# Altium PCB ebox-SPARK-拼板.PcbDoc (part 3 of 3) (continued)
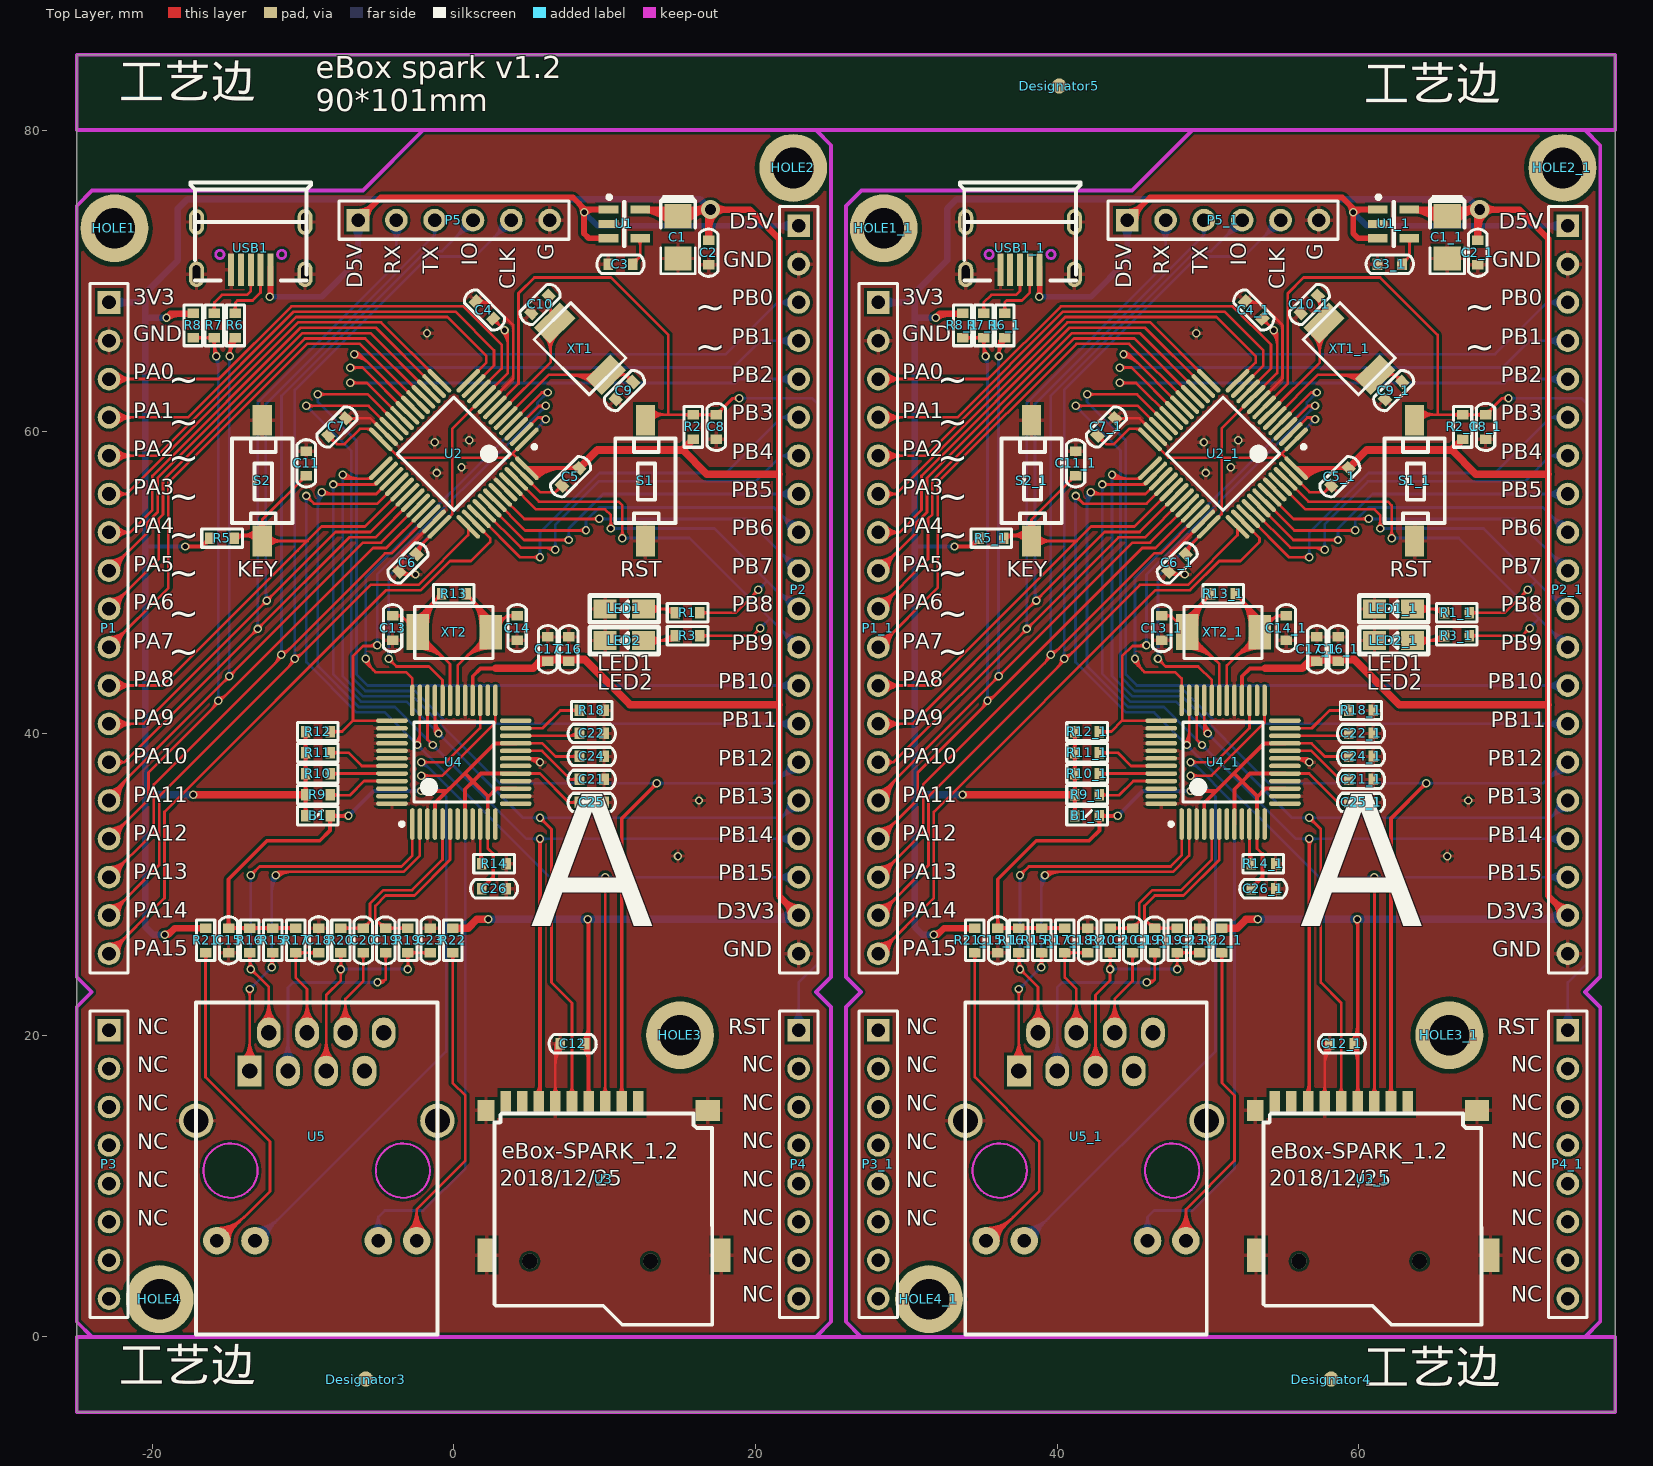
[diagram p0: Top Layer view]
## Nets (pads, with @x,y where several pads share a name; then routed paths per layer and width w, separated by ;. In a path a pad name is that pad's centre, name@x,y a point inside that pad or via, vN(x,y) a via of type N, cw(c..) or ccw(c..) an arc to the next point about the centre after c; other vN are vias at no path point) (continued)
  Bottom Layer w0.178: v1(18.923,62.23) 23.749,62.23 24.13,61.849 24.13,24.765 22.86,23.495 P4.1@22.86,20.32 ; v1@19.058,62.095 cw(c19.383,61.77) 19.383,62.23 cw(c19.383,62.69) v1@19.058,62.365 ; P4.1@22.393,20.787 ccw(c21.264,21.916) 22.86,21.916 ccw(c24.456,21.916) P4.1@23.327,20.787 ; P4.1@22.518,20.662 ccw(c21.693,21.487) 22.86,21.487 ccw(c24.027,21.487) P4.1@23.202,20.662 ; v1(69.923,62.23) 74.749,62.23 75.13,61.849 75.13,24.765 73.86,23.495 P4_1.1@73.86,20.32 ; v1@70.058,62.095 cw(c70.383,61.77) 70.383,62.23 cw(c70.383,62.69) v1@70.058,62.365 ; P4_1.1@73.393,20.787 ccw(c72.264,21.916) 73.86,21.916 ccw(c75.456,21.916) P4_1.1@74.327,20.787 ; P4_1.1@73.518,20.662 ccw(c72.693,21.487) 73.86,21.487 ccw(c75.027,21.487) P4_1.1@74.202,20.662
RXN: C20.2 C20_1.2 R20.1 R20_1.1 U4.5 U4_1.5 | length 28.4
  Top Layer w0.178: R20.1@-7.485,27.102 C20.2@-6.003,27.102 -5.563,27.542 ; R20.1@-7.259,26.94 cw(c-6.869,26.55) -6.869,27.102 cw(c-6.869,27.654) R20.1@-7.259,27.263 ; C20.2@-6.228,26.94 ccw(c-6.618,26.55) -6.618,27.102 ccw(c-6.618,27.654) C20.2@-6.228,27.263 ; C20.2@-5.939,27.33 ccw(c-5.939,27.729) -5.658,27.447 ; C20.2@-5.712,27.124 cw(c-5.196,27.176) -5.563,27.542 ; U4.5@-0.75,34 -0.75,31.635 -2.769,29.616 -4.674,29.616 -5.563,28.727 -5.563,27.542 ; R20_1.1@43.515,27.102 C20_1.2@44.997,27.102 45.437,27.542 ; R20_1.1@43.741,26.94 cw(c44.131,26.55) 44.131,27.102 cw(c44.131,27.654) R20_1.1@43.741,27.263 ; C20_1.2@44.772,26.94 ccw(c44.382,26.55) 44.382,27.102 ccw(c44.382,27.654) C20_1.2@44.772,27.263 ; C20_1.2@45.061,27.33 ccw(c45.061,27.729) 45.342,27.447 ; C20_1.2@45.288,27.124 cw(c45.804,27.176) 45.437,27.542 ; U4_1.5@50.25,34 50.25,31.635 48.231,29.616 46.326,29.616 45.437,28.727 45.437,27.542
RXP: C19.2 C19_1.2 R19.1 R19_1.1 U4.6 U4_1.6 | length 29.2
  Top Layer w0.178: -5.04,27.519 ccw(c-4.585,27.974) C19.2@-4.585,27.33 ; -4.948,27.427 cw(c-5.273,27.102) C19.2@-4.813,27.102 ; C19.2@-4.521,27.102 R19.1@-3.04,27.102 ; C19.2@-4.318,27.305 -4.826,27.305 -5.207,27.686 -5.207,28.58 -4.526,29.261 -2.621,29.261 -0.25,31.632 U4.6@-0.25,34 ; C19.2@-4.296,26.94 cw(c-3.906,26.55) -3.906,27.102 cw(c-3.906,27.654) C19.2@-4.296,27.263 ; R19.1@-3.265,26.94 ccw(c-3.655,26.55) -3.655,27.102 ccw(c-3.655,27.654) R19.1@-3.265,27.263 ; 45.96,27.519 ccw(c46.415,27.974) C19_1.2@46.415,27.33 ; 46.052,27.427 cw(c45.727,27.102) C19_1.2@46.187,27.102 ; C19_1.2@46.479,27.102 R19_1.1@47.96,27.102 ; C19_1.2@46.682,27.305 46.174,27.305 45.793,27.686 45.793,28.58 46.474,29.261 48.379,29.261 50.75,31.632 U4_1.6@50.75,34 ; C19_1.2@46.704,26.94 cw(c47.094,26.55) 47.094,27.102 cw(c47.094,27.654) C19_1.2@46.704,27.263 ; R19_1.1@47.735,26.94 ccw(c47.345,26.55) 47.345,27.102 ccw(c47.345,27.654) R19_1.1@47.735,27.263
TCT: C18.2 C18_1.2 R17.1 R17_1.1 U5.4 U5_1.4 | length 31.8
  Top Layer w0.178: R17.1@-10.652,25.315 cw(c-11.042,24.924) -10.49,24.924 cw(c-9.938,24.924) R17.1@-10.329,25.315 ; R17.1@-10.265,25.315 cw(c-9.875,24.924) -9.875,25.476 cw(c-9.875,26.028) R17.1@-10.265,25.638 ; U5.4@-10.223,20.89 ccw(c-11.415,22.083) -9.729,22.083 ccw(c-8.042,22.083) U5.4@-9.235,20.89 ; U5.4@-10.097,20.764 ccw(c-10.986,21.653) -9.729,21.653 ccw(c-8.472,21.653) U5.4@-9.36,20.764 ; U5.4@-9.971,20.639 ccw(c-10.556,21.224) -9.729,21.224 ccw(c-8.901,21.224) U5.4@-9.486,20.639 ; U5.4@-9.729,20.168 -9.729,23.064 -10.49,23.825 R17.1@-10.49,25.476 C18.2@-8.966,25.476 ; C18.2@-9.191,25.315 ccw(c-9.582,24.924) -9.582,25.476 ccw(c-9.582,26.028) C18.2@-9.191,25.638 ; R17_1.1@40.348,25.315 cw(c39.958,24.924) 40.51,24.924 cw(c41.062,24.924) R17_1.1@40.671,25.315 ; R17_1.1@40.735,25.315 cw(c41.125,24.924) 41.125,25.476 cw(c41.125,26.028) R17_1.1@40.735,25.638 ; U5_1.4@40.777,20.89 ccw(c39.585,22.083) 41.271,22.083 ccw(c42.958,22.083) U5_1.4@41.765,20.89 ; U5_1.4@40.903,20.764 ccw(c40.014,21.653) 41.271,21.653 ccw(c42.528,21.653) U5_1.4@41.64,20.764 ; U5_1.4@41.029,20.639 ccw(c40.444,21.224) 41.271,21.224 ccw(c42.099,21.224) U5_1.4@41.514,20.639 ; U5_1.4@41.271,20.168 41.271,23.064 40.51,23.825 R17_1.1@40.51,25.476 C18_1.2@42.034,25.476 ; C18_1.2@41.809,25.315 ccw(c41.418,24.924) 41.418,25.476 ccw(c41.418,26.028) C18_1.2@41.809,25.638
  Bottom Layer w0.178: U5.4@-9.906,20.345 U5.4@-9.729,20.168 ; U5_1.4@41.094,20.345 U5_1.4@41.271,20.168
TXN: R16.1 R16_1.1 U4.1 U4_1.1 U5.2 U5_1.2 | length 71.4
  Top Layer w0.178: R16.1@-13.7,25.315 cw(c-14.09,24.924) -13.538,24.924 cw(c-12.986,24.924) R16.1@-13.377,25.315 ; v1@-13.597,24.514 ccw(c-13.738,24.655) -13.538,24.655 ; v1@-13.538,24.455 R16.1@-13.538,25.476 ; -13.538,25.023 ccw(c-12.818,25.023) v1@-13.327,24.514 ; v1@-13.462,24.188 cw(c-13.462,23.728) -13.137,24.054 cw(c-12.812,24.379) v1@-13.272,24.379 ; v1(-13.462,24.379) -12.269,23.185 U5.2@-12.269,20.168 ; v1(-13.462,30.607) -12.878,31.191 -3.48,31.191 -2.75,31.921 U4.1@-2.75,34 ; v1@-13.462,30.797 ccw(c-13.462,31.257) -13.137,30.932 ccw(c-12.812,30.607) v1@-13.272,30.607 ; U5.2@-12.763,20.89 ccw(c-13.955,22.083) -12.269,22.083 ccw(c-10.582,22.083) U5.2@-11.775,20.89 ; U5.2@-12.637,20.764 ccw(c-13.526,21.653) -12.269,21.653 ccw(c-11.012,21.653) U5.2@-11.9,20.764 ; U5.2@-12.511,20.639 ccw(c-13.096,21.224) -12.269,21.224 ccw(c-11.441,21.224) U5.2@-12.026,20.639 ; R16_1.1@37.3,25.315 cw(c36.91,24.924) 37.462,24.924 cw(c38.014,24.924) R16_1.1@37.623,25.315 ; v1@37.403,24.514 ccw(c37.262,24.655) 37.462,24.655 ; v1@37.462,24.455 R16_1.1@37.462,25.476 ; 37.462,25.023 ccw(c38.182,25.023) v1@37.673,24.514 ; v1@37.538,24.188 cw(c37.538,23.728) 37.863,24.054 cw(c38.188,24.379) v1@37.728,24.379 ; v1(37.538,24.379) 38.731,23.185 U5_1.2@38.731,20.168 ; v1(37.538,30.607) 38.122,31.191 47.52,31.191 48.25,31.921 U4_1.1@48.25,34 ; v1@37.538,30.797 ccw(c37.538,31.257) 37.863,30.932 ccw(c38.188,30.607) v1@37.728,30.607 ; U5_1.2@38.237,20.89 ccw(c37.045,22.083) 38.731,22.083 ccw(c40.418,22.083) U5_1.2@39.225,20.89 ; U5_1.2@38.363,20.764 ccw(c37.474,21.653) 38.731,21.653 ccw(c39.988,21.653) U5_1.2@39.1,20.764 ; U5_1.2@38.489,20.639 ccw(c37.904,21.224) 38.731,21.224 ccw(c39.559,21.224) U5_1.2@38.974,20.639
  Bottom Layer w0.178: v1@-13.597,24.514 ccw(c-13.922,24.839) -13.462,24.839 ccw(c-13.002,24.839) v1@-13.327,24.514 ; v1@-13.597,30.472 cw(c-13.922,30.147) -13.462,30.147 cw(c-13.002,30.147) v1@-13.327,30.472 ; v1(-13.462,24.379) v1(-13.462,30.607) ; v1@37.403,24.514 ccw(c37.078,24.839) 37.538,24.839 ccw(c37.998,24.839) v1@37.673,24.514 ; v1@37.403,30.472 cw(c37.078,30.147) 37.538,30.147 cw(c37.998,30.147) v1@37.673,30.472 ; v1(37.538,24.379) v1(37.538,30.607)
TXP: R15.1 R15_1.1 U4.2 U4_1.2 U5.1 U5_1.1 | length 82.1
  Top Layer w0.178: U5.1@-14.033,18.35 ccw(c-15.225,19.543) -13.539,19.543 ccw(c-11.852,19.543) U5.1@-13.045,18.35 ; U5.1@-13.907,18.224 ccw(c-14.796,19.113) -13.539,19.113 ccw(c-12.282,19.113) U5.1@-13.17,18.224 ; U5.1@-13.781,18.099 ccw(c-14.366,18.684) -13.539,18.684 ccw(c-12.711,18.684) U5.1@-13.296,18.099 ; v1@-13.673,22.929 cw(c-13.999,22.604) -13.539,22.604 cw(c-13.079,22.604) v1@-13.404,22.929 ; U5.1@-13.539,17.628 v1(-13.539,23.064) ; v1@-12.2,24.646 ccw(c-12.648,25.094) -12.014,25.094 ; R15.1@-12.176,25.315 cw(c-12.566,24.924) -12.014,24.924 cw(c-11.462,24.924) R15.1@-11.853,25.315 ; v1@-12.014,24.562 R15.1@-12.014,25.476 ; -12.014,24.848 ccw(c-11.728,24.848) v1@-11.93,24.646 ; v1(-11.811,30.607) -11.811,30.658 -11.633,30.836 -3.333,30.836 -2.25,31.918 U4.2@-2.25,34 ; v1@-11.802,30.598 cw(c-11.228,30.024) -11.228,30.836 ; v1@-11.676,30.472 cw(c-10.799,29.595) -10.799,30.836 ; U5_1.1@36.967,18.35 ccw(c35.775,19.543) 37.461,19.543 ccw(c39.148,19.543) U5_1.1@37.955,18.35 ; U5_1.1@37.093,18.224 ccw(c36.204,19.113) 37.461,19.113 ccw(c38.718,19.113) U5_1.1@37.83,18.224 ; U5_1.1@37.219,18.099 ccw(c36.634,18.684) 37.461,18.684 ccw(c38.289,18.684) U5_1.1@37.704,18.099 ; v1@37.327,22.929 cw(c37.001,22.604) 37.461,22.604 cw(c37.921,22.604) v1@37.596,22.929 ; U5_1.1@37.461,17.628 v1(37.461,23.064) ; v1@38.8,24.646 ccw(c38.352,25.094) 38.986,25.094 ; R15_1.1@38.824,25.315 cw(c38.434,24.924) 38.986,24.924 cw(c39.538,24.924) R15_1.1@39.147,25.315 ; v1@38.986,24.562 R15_1.1@38.986,25.476 ; 38.986,24.848 ccw(c39.272,24.848) v1@39.07,24.646 ; v1(39.189,30.607) 39.189,30.658 39.367,30.836 47.667,30.836 48.75,31.918 U4_1.2@48.75,34 ; v1@39.198,30.598 cw(c39.772,30.024) 39.772,30.836 ; v1@39.324,30.472 cw(c40.201,29.595) 40.201,30.836
  Bottom Layer w0.178: v1@-13.589,22.987 v1(-12.065,24.511) -12.065,30.353 v1(-11.811,30.607) ; v1@-13.539,23.254 ccw(c-13.539,23.777) -13.169,23.407 ; v1@-13.348,23.064 cw(c-12.951,23.064) -13.232,23.344 ; v1@-12.256,24.511 cw(c-12.715,24.511) -12.39,24.186 cw(c-12.065,23.861) v1@-12.065,24.32 ; v1@-12.2,24.646 ccw(c-12.525,24.971) -12.065,24.971 ccw(c-11.605,24.971) v1@-11.93,24.646 ; -12.065,29.534 cw(c-10.738,29.534) v1@-11.676,30.472 ; -12.065,29.963 cw(c-11.167,29.963) v1@-11.802,30.598 ; -12.065,30.392 cw(c-11.596,30.392) v1@-11.928,30.724 ; v1@37.411,22.987 v1(38.935,24.511) 38.935,30.353 v1(39.189,30.607) ; v1@37.461,23.254 ccw(c37.461,23.777) 37.831,23.407 ; v1@37.652,23.064 cw(c38.049,23.064) 37.768,23.344 ; v1@38.744,24.511 cw(c38.285,24.511) 38.61,24.186 cw(c38.935,23.861) v1@38.935,24.32 ; v1@38.8,24.646 ccw(c38.475,24.971) 38.935,24.971 ccw(c39.395,24.971) v1@39.07,24.646 ; 38.935,29.534 cw(c40.262,29.534) v1@39.324,30.472 ; 38.935,29.963 cw(c39.833,29.963) v1@39.198,30.598 ; 38.935,30.392 cw(c39.404,30.392) v1@39.072,30.724
pads on no net: Designator3.0 Designator4.0 Designator5.0 HOLE1.0 HOLE1_1.0 HOLE2.0 HOLE2_1.0 HOLE3.0 HOLE3_1.0 HOLE4.0 HOLE4_1.0 P3.1 P3.2 P3.3 P3.4 P3.5 P3.6 P3.7 P3.8 P3_1.1 P3_1.2 P3_1.3 P3_1.4 P3_1.5 P3_1.6 P3_1.7 P3_1.8 P4.2 P4.3 P4.4 P4.5 P4.6 P4.7 P4.8 P4_1.2 P4_1.3 P4_1.4 P4_1.5 P4_1.6 P4_1.7 P4_1.8 U3.1 U3.8 U3.9 U3_1.1 U3_1.8 U3_1.9 U4.7 U4.12 U4.13 U4.18 U4.24 U4.26 U4.46 U4.47 U4_1.7 U4_1.12 U4_1.13 U4_1.18 U4_1.24 U4_1.26 U4_1.46 U4_1.47 U5.7 U5.8 U5.14 U5_1.7 U5_1.8 U5_1.14 USB1.4 USB1_1.4
copper on no net:
  other v2: 5.033,5.015 13.033,5.015 56.033,5.015 64.033,5.015

## Polygon pours and split planes (outlines as drawn)
GND on Top Layer "Keep-Out Layer-No Net" (solid, remove dead copper, pour order 1000): 76.146,80.137 76.146,-0.127 25.854,-0.127 25.854,80.137
GND on Top Layer "Keep-Out Layer-No Net" (solid, remove dead copper, pour order 1000): 25.146,80.137 25.146,-0.127 -25.146,-0.127 -25.146,80.137
GND on Bottom Layer "Keep-Out Layer-No Net" (solid, remove dead copper, pour order 1001): 76.146,80.137 76.146,-0.127 25.854,-0.127 25.854,80.137
GND on Bottom Layer "Keep-Out Layer-No Net" (solid, remove dead copper, pour order 1001): 25.146,80.137 25.146,-0.127 -25.146,-0.127 -25.146,80.137

## Keep-outs
Keep-Out Layer:
  lines w0.254: -25,23.857 -24.003,22.86 -25,21.863 -25,1 -24,0 24,0 25,1 25,21.844 25,21.863 24.003,22.86 25,23.857 ; -25,23.859 -25,74.984 -23.984,76 -6.028,76 -2.025,80.003 24,80.003 25,79.003 25,23.86 ; 26,23.857 26.997,22.86 26,21.863 26,1 27,0 75,0 76,1 76,21.844 76,21.863 75.003,22.86 76,23.857 ; 26,23.859 26,74.984 27.016,76 44.972,76 48.975,80.003 75,80.003 76,79.003 76,23.86 ; -25,-5 77,-5 77,0 -25,0 -25,-5 ; -25,80.003 77,80.003 77,85.003 -25,85.003 -25,80.003

## Silkscreen, mask and mechanical layers (free items; w line width, h text height)
Top Overlay:
  text "eBox spark v1.2" at -9.144,82.931 h2.54
  text "工艺边" at -22.225,81.407 h3.81
  text "工艺边" at 60.325,81.28 h3.81
  text "90*101mm" at -9.144,80.772 h2.54
  text "D5V" at 18.267,73.098 h1.78
  text "D5V" at 69.267,73.098 h1.78
  text "G" at 6.985,71.374 h1.78 r90
  text "G" at 57.985,71.374 h1.78 r90
  text "IO" at 1.905,71.022 h1.78 r90
  text "IO" at 52.905,71.022 h1.78 r90
  text "GND" at 17.859,70.558 h1.78
  text "GND" at 68.859,70.558 h1.78
  text "TX" at -0.655,70.496 h1.78 r90
  text "TX" at 50.345,70.496 h1.78 r90
  text "RX" at -3.195,70.406 h1.78 r90
  text "RX" at 47.805,70.406 h1.78 r90
  text "~" at 18.034,69.596 h3.05 r180
  text "~" at 69.034,69.596 h3.05 r180
  text "D5V" at -5.715,69.523 h1.78 r90
  text "D5V" at 45.285,69.523 h1.78 r90
  text "CLK" at 4.445,69.469 h1.78 r90
  text "CLK" at 55.445,69.469 h1.78 r90
  text "3V3" at -21.269,68.072 h1.78
  text "3V3" at 29.731,68.072 h1.78
  text "PB0" at 18.417,68.017 h1.78
  text "PB0" at 69.417,68.017 h1.78
  text "~" at 18.034,66.929 h3.05 r180
  text "~" at 69.034,66.929 h3.05 r180
  text "GND" at -21.269,65.659 h1.78
  text "GND" at 29.731,65.659 h1.78
  text "PB1" at 18.417,65.457 h1.78
  text "PB1" at 69.417,65.457 h1.78
  text "~" at -16.891,64.77 h3.05 r180
  text "~" at 34.109,64.77 h3.05 r180
  text "PA0" at -21.269,63.119 h1.78
  text "PA0" at 29.731,63.119 h1.78
  text "PB2" at 18.417,62.917 h1.78
  text "PB2" at 69.417,62.917 h1.78
  text "~" at -16.891,61.976 h3.05 r180
  text "~" at 34.109,61.976 h3.05 r180
  text "PA1" at -21.269,60.554 h1.78
  text "PA1" at 29.731,60.554 h1.78
  text "PB3" at 18.413,60.396 h1.78
  text "PB3" at 69.413,60.396 h1.78
  text "~" at -16.891,59.563 h3.05 r180
  text "~" at 34.109,59.563 h3.05 r180
  text "PA2" at -21.269,58.005 h1.78
  text "PA2" at 29.731,58.005 h1.78
  text "PB4" at 18.418,57.836 h1.78
  text "PB4" at 69.418,57.836 h1.78
  text "~" at -16.891,57.023 h3.05 r180
  text "~" at 34.109,57.023 h3.05 r180
  text "PA3" at -21.269,55.474 h1.78
  text "PA3" at 29.731,55.474 h1.78
  text "PB5" at 18.405,55.316 h1.78
  text "PB5" at 69.405,55.316 h1.78
  text "~" at -16.891,54.483 h3.05 r180
  text "~" at 34.109,54.483 h3.05 r180
  text "PA4" at -21.269,52.908 h1.78
  text "PA4" at 29.731,52.908 h1.78
  text "PB6" at 18.413,52.776 h1.78
  text "PB6" at 69.413,52.776 h1.78
  text "~" at -16.891,51.943 h3.05 r180
  text "~" at 34.109,51.943 h3.05 r180
  text "PA5" at -21.269,50.377 h1.78
  text "PA5" at 29.731,50.377 h1.78
  text "PB7" at 18.413,50.216 h1.78
  text "PB7" at 69.413,50.216 h1.78
  text "RST" at 11.049,50.038 h1.78
  text "RST" at 62.049,50.038 h1.78
  text "KEY" at -14.351,50.017 h1.78
  text "KEY" at 36.649,50.017 h1.78
  text "~" at -16.891,49.276 h3.05 r180
  text "~" at 34.109,49.276 h3.05 r180
  text "PA6" at -21.269,47.828 h1.78
  text "PA6" at 29.731,47.828 h1.78
  text "PB8" at 18.412,47.695 h1.78
  text "PB8" at 69.412,47.695 h1.78
  text "~" at -16.891,46.736 h3.05 r180
  text "~" at 34.109,46.736 h3.05 r180
  text "PA7" at -21.269,45.263 h1.78
  text "PA7" at 29.731,45.263 h1.78
  text "PB9" at 18.412,45.155 h1.78
  text "PB9" at 69.412,45.155 h1.78
  text "LED1" at 9.525,43.815 h1.78
  text "LED1" at 60.525,43.815 h1.78
  text "PA8" at -21.269,42.731 h1.78
  text "PA8" at 29.731,42.731 h1.78
  text "PB10" at 17.531,42.614 h1.78
  text "PB10" at 68.531,42.614 h1.78
  text "LED2" at 9.525,42.545 h1.78
  text "LED2" at 60.525,42.545 h1.78
  text "PA9" at -21.269,40.183 h1.78
  text "PA9" at 29.731,40.183 h1.78
  text "PB11" at 17.748,40.054 h1.78
  text "PB11" at 68.748,40.054 h1.78
  text "PA10" at -21.269,37.634 h1.78
  text "PA10" at 29.731,37.634 h1.78
  text "PB12" at 17.539,37.514 h1.78
  text "PB12" at 68.539,37.514 h1.78
  text "PA11" at -21.269,35.069 h1.78
  text "PA11" at 29.731,35.069 h1.78
  text "PB13" at 17.528,34.994 h1.78
  text "PB13" at 68.528,34.994 h1.78
  text "PA12" at -21.269,32.52 h1.78
  text "PA12" at 29.731,32.52 h1.78
  text "PB14" at 17.533,32.434 h1.78
  text "PB14" at 68.533,32.434 h1.78
  text "PA13" at -21.269,29.989 h1.78
  text "PA13" at 29.731,29.989 h1.78
  text "PB15" at 17.52,29.913 h1.78
  text "PB15" at 68.52,29.913 h1.78
  text "PA14" at -21.269,27.424 h1.78
  text "PA14" at 29.731,27.424 h1.78
  text "D3V3" at 17.441,27.373 h1.78
  text "D3V3" at 68.441,27.373 h1.78
  text "PA15" at -21.269,24.892 h1.78
  text "PA15" at 29.731,24.892 h1.78
  text "GND" at 17.859,24.833 h1.78
  text "GND" at 68.859,24.833 h1.78
  text "A" at 5.08,24.384 h15
  text "A" at 56.08,24.384 h15
  text "NC" at -20.997,19.712 h1.78
  text "NC" at 30.003,19.712 h1.78
  text "RST" at 18.181,19.685 h1.78
  text "RST" at 69.181,19.685 h1.78
  text "NC" at 19.113,17.212 h1.78
  text "NC" at 70.113,17.212 h1.78
  text "NC" at -20.997,17.172 h1.78
  text "NC" at 30.003,17.172 h1.78
  text "NC" at 19.113,14.672 h1.78
  text "NC" at 70.113,14.672 h1.78
  text "NC" at -20.997,14.632 h1.78
  text "NC" at 30.003,14.632 h1.78
  text "NC" at 19.113,12.131 h1.78
  text "NC" at 70.113,12.131 h1.78
  text "NC" at -20.997,12.091 h1.78
  text "NC" at 30.003,12.091 h1.78
  text "eBox-SPARK_1.2" at 3.175,11.43 h1.78
  text "eBox-SPARK_1.2" at 54.175,11.43 h1.78
  text "2018/12/25" at 3.048,9.652 h1.78
  text "2018/12/25" at 54.048,9.652 h1.78
  text "NC" at 19.113,9.591 h1.78
  text "NC" at 70.113,9.591 h1.78
  text "NC" at -20.997,9.551 h1.78
  text "NC" at 30.003,9.551 h1.78
  text "NC" at 19.113,7.051 h1.78
  text "NC" at 70.113,7.051 h1.78
  text "NC" at -20.997,7.011 h1.78
  text "NC" at 30.003,7.011 h1.78
  text "NC" at 19.113,4.511 h1.78
  text "NC" at 70.113,4.511 h1.78
  text "NC" at 19.113,1.971 h1.78
  text "NC" at 70.113,1.971 h1.78
  text "工艺边" at -22.225,-3.683 h3.81
  text "工艺边" at 60.325,-3.81 h3.81
Bottom Overlay:
  lines w0.203: -24.13,29.21 -13.081,29.21 ; -24.13,34.29 -13.081,34.29 ; -24.13,44.45 -13.081,44.45 ; -24.13,54.61 -13.081,54.61 ; -18.669,44.45 -18.669,62.23 -13.081,62.23 ; -15.494,29.21 -15.494,31.75 -18.669,31.75 -18.669,34.29 -18.669,41.91 -13.081,41.91 ; 10.16,29.21 24.13,29.21 ; 10.16,36.83 24.13,36.83 ; 10.16,39.37 24.13,39.37 ; 10.16,44.45 24.13,44.45 ; 10.16,49.53 19.177,49.53 ; 10.16,54.102 19.177,54.102 19.177,44.45 ; 10.16,57.15 24.13,57.15 ; 10.16,64.77 24.13,64.77 ; 13.97,44.45 13.97,41.91 18.034,41.91 18.034,39.37 ; 26.87,29.21 37.919,29.21 ; 26.87,34.29 37.919,34.29 ; 26.87,44.45 37.919,44.45 ; 26.87,54.61 37.919,54.61 ; 32.331,44.45 32.331,62.23 37.919,62.23 ; 35.506,29.21 35.506,31.75 32.331,31.75 32.331,34.29 32.331,41.91 37.919,41.91 ; 61.16,29.21 75.13,29.21 ; 61.16,36.83 75.13,36.83 ; 61.16,39.37 75.13,39.37 ; 61.16,44.45 75.13,44.45 ; 61.16,49.53 70.177,49.53 ; 61.16,54.102 70.177,54.102 70.177,44.45 ; 61.16,57.15 75.13,57.15 ; 61.16,64.77 75.13,64.77 ; 64.97,44.45 64.97,41.91 69.034,41.91 69.034,39.37 ; -24.13,24.13 -13.081,24.13 -13.081,64.77 -24.13,64.77 -24.13,24.13 ; 10.16,24.13 10.16,69.85 24.13,69.85 24.13,24.13 10.16,24.13 ; 26.87,24.13 37.919,24.13 37.919,64.77 26.87,64.77 26.87,24.13 ; 61.16,24.13 61.16,69.85 75.13,69.85 75.13,24.13 61.16,24.13
  text "TIM3" at 17.653,68.326 h1.78
  text "TIM3" at 68.653,68.326 h1.78
  text "C3" at 21.506,68.199 h1.78
  text "C3" at 72.506,68.199 h1.78
  text "C4" at 21.506,65.659 h1.78
  text "C4" at 72.506,65.659 h1.78
  text "TIM2" at -13.716,63.119 h1.78
  text "TIM2" at 37.284,63.119 h1.78
  text "C1" at -19.889,62.992 h1.78
  text "C1" at 31.111,62.992 h1.78
  text "C2" at -19.68,60.452 h1.78
  text "C2" at 31.32,60.452 h1.78
  text "UART2" at -13.736,60.198 h1.78 r90
  text "UART2" at 37.264,60.198 h1.78 r90
  text "C3" at -19.668,57.912 h1.78
  text "C3" at 31.332,57.912 h1.78
  text "T" at -16.764,57.785 h1.78
  text "T" at 34.236,57.785 h1.78
  text "C4" at -19.673,55.372 h1.78
  text "R" at -16.764,55.372 h1.78
  text "C4" at 31.327,55.372 h1.78
  text "R" at 34.236,55.372 h1.78
  text "TIM4" at 21.463,55.245 h1.78
  text "TIM4" at 72.463,55.245 h1.78
  text "I2C1" at 12.233,53.721 h1.78 r90
  text "I2C1" at 63.233,53.721 h1.78 r90
  text "C1" at 21.506,52.832 h1.78
  text "C1" at 72.506,52.832 h1.78
  text "SCL" at 17.653,52.705 h1.78
  text "SCL" at 68.653,52.705 h1.78
  text "SPI1" at -14.224,52.324 h1.78
  text "SPI1" at 36.776,52.324 h1.78
  text "TIM3" at -18.669,51.689 h1.78
  text "TIM3" at 32.331,51.689 h1.78
  text "C2" at 21.506,50.292 h1.78
  text "C2" at 72.506,50.292 h1.78
  text "SCK" at -14.605,50.165 h1.78
  text "SDA" at 17.653,50.165 h1.78
  text "SCK" at 36.395,50.165 h1.78
  text "SDA" at 68.653,50.165 h1.78
  text "CAN" at 12.233,48.895 h1.78 r90
  text "CAN" at 63.233,48.895 h1.78 r90
  text "C1" at -19.889,47.752 h1.78
  text "R" at 17.653,47.752 h1.78
  text "C3" at 21.506,47.752 h1.78
  text "C1" at 31.111,47.752 h1.78
  text "R" at 68.653,47.752 h1.78
  text "C3" at 72.506,47.752 h1.78
  text "MISO" at -13.97,47.625 h1.78
  text "MISO" at 37.03,47.625 h1.78
  text "C2" at -19.68,45.212 h1.78
  text "MOSI" at -13.97,45.212 h1.78
  text "T" at 17.653,45.212 h1.78
  text "C4" at 21.506,45.212 h1.78
  text "C2" at 31.32,45.212 h1.78
  text "MOSI" at 37.03,45.212 h1.78
  text "T" at 68.653,45.212 h1.78
  text "C4" at 72.506,45.212 h1.78
  text "TIM1" at -13.716,42.799 h1.78
  text "TIM1" at 37.284,42.799 h1.78
  text "C1" at -19.889,42.672 h1.78
  text "I2C2" at 17.653,42.672 h1.78
  text "SCL" at 21.506,42.672 h1.78
  text "C1" at 31.111,42.672 h1.78
  text "I2C2" at 68.653,42.672 h1.78
  text "SCL" at 72.506,42.672 h1.78
  text "T" at 11.976,42.545 h1.78
  text "T" at 62.976,42.545 h1.78
  text "Keil MDK-ARM" at -1.374,41.402 h2.54 r270
  text "eBox" at 1.42,41.402 h2.54 r270
  text "eBox-SPARK" at 4.341,41.402 h2.54 r270
  text "Keil MDK-ARM" at 49.626,41.402 h2.54 r270
  text "eBox" at 52.42,41.402 h2.54 r270
  text "eBox-SPARK" at 55.341,41.402 h2.54 r270
  text "UART1" at -13.736,41.021 h1.78 r90
  text "UART1" at 37.264,41.021 h1.78 r90
  text "C2" at -19.68,40.132 h1.78
  text "SDA" at 21.506,40.132 h1.78
  text "C2" at 31.32,40.132 h1.78
  text "SDA" at 72.506,40.132 h1.78
  text "R" at 12.075,40.005 h1.78
  text "UART3" at 17.653,40.005 h1.78
  text "R" at 63.075,40.005 h1.78
  text "UART3" at 68.653,40.005 h1.78
  text "T" at -16.891,39.878 h1.78
  text "T" at 34.109,39.878 h1.78
  text "C3" at -19.668,37.592 h1.78
  text "R" at -16.891,37.592 h1.78
  text "C3" at 31.332,37.592 h1.78
  text "R" at 34.109,37.592 h1.78
  text "TFCARD_CS" at 21.463,37.465 h1.78
  text "TFCARD_CS" at 72.463,37.465 h1.78
  text "C4" at -19.673,35.179 h1.78
  text "C4" at 31.327,35.179 h1.78
  text "SCK" at 21.506,35.052 h1.78
  text "SCK" at 72.506,35.052 h1.78
  text "SPI2" at 12.233,34.29 h1.78 r90
  text "SPI2" at 63.233,34.29 h1.78 r90
  text "DM" at -19.321,32.639 h1.78
  text "CAN" at -15.24,32.639 h1.78
  text "R" at -13.716,32.639 h1.78
  text "DM" at 31.679,32.639 h1.78
  text "CAN" at 35.76,32.639 h1.78
  text "R" at 37.284,32.639 h1.78
  text "MISO" at 21.506,32.512 h1.78
  text "MISO" at 72.506,32.512 h1.78
  text "DP" at -19.533,29.972 h1.78
  text "T" at -13.716,29.972 h1.78
  text "MOSI" at 21.506,29.972 h1.78
  text "DP" at 31.467,29.972 h1.78
  text "T" at 37.284,29.972 h1.78
  text "MOSI" at 72.506,29.972 h1.78
  text "USB" at -16.002,29.845 h1.78
  text "USB" at 34.998,29.845 h1.78
  text "SWD" at -13.736,28.321 h1.78 r90
  text "SWD" at 37.264,28.321 h1.78 r90
  text "Copyright 2016 shentq.All right reserved" at -9.375,27.94 h1.78 r270
  text "-----------------------------------------------------------" at -7.874,27.94 h1.78 r270
  text "www.antsmaker.cn" at -6.835,27.94 h2.54 r270
  text "-----------------------------------------------------------" at -5.08,27.94 h1.78 r270
  text "MADE IN CHINA" at -4.168,27.94 h2.54 r270
  text "-----------------------------------------------------------" at -2.286,27.94 h1.78 r270
  text "PLATFORM" at -1.38,27.94 h1.78 r270
  text "-----------------------------------------------------------" at 0.508,27.94 h1.78 r270
  text "SOFTWARE" at 1.41,27.94 h1.78 r270
  text "-----------------------------------------------------------" at 3.302,27.94 h1.78 r270
  text "BOARD MODEL" at 4.335,27.94 h1.78 r270
  text "___________________________________" at 6.754,27.94 h1.78 r270
  text "Copyright 2016 shentq.All right reserved" at 41.625,27.94 h1.78 r270
  text "-----------------------------------------------------------" at 43.126,27.94 h1.78 r270
  text "www.antsmaker.cn" at 44.165,27.94 h2.54 r270
  text "-----------------------------------------------------------" at 45.92,27.94 h1.78 r270
  text "MADE IN CHINA" at 46.832,27.94 h2.54 r270
  text "-----------------------------------------------------------" at 48.714,27.94 h1.78 r270
  text "PLATFORM" at 49.62,27.94 h1.78 r270
  text "-----------------------------------------------------------" at 51.508,27.94 h1.78 r270
  text "SOFTWARE" at 52.41,27.94 h1.78 r270
  text "-----------------------------------------------------------" at 54.302,27.94 h1.78 r270
  text "BOARD MODEL" at 55.335,27.94 h1.78 r270
  text "___________________________________" at 57.754,27.94 h1.78 r270
  text "___________________________________" at -10.01,27.686 h1.78 r270
  text "___________________________________" at 40.99,27.686 h1.78 r270
  text "IO" at -20.09,27.432 h1.78
  text "D3V3" at 21.463,27.432 h1.78
  text "IO" at 30.91,27.432 h1.78
  text "D3V3" at 72.463,27.432 h1.78
  text "CLK" at -18.538,24.892 h1.78
  text "GND" at 21.463,24.892 h1.78
  text "CLK" at 32.462,24.892 h1.78
  text "GND" at 72.463,24.892 h1.78
  text "eBox" at 6.754,24.257 h5.08
  text "eBox" at 57.754,24.257 h5.08
Top Solder:
  lines w0.508: -24.638,1.143 -24.638,21.717 -23.495,22.86 -23.622,22.987 -24.638,24.003 -24.638,74.803 -23.749,75.692 -6.096,75.692 -5.842,75.692 -1.905,79.629 20.193,79.629 24.003,79.629 24.638,78.994 24.638,78.74 24.638,24.003 23.495,22.86 23.622,22.733 24.638,21.717 24.638,1.143 24.638,1.016 24.003,0.381 -23.876,0.381 -24.638,1.143 ; 26.362,1.143 26.362,21.717 27.505,22.86 27.378,22.987 26.362,24.003 26.362,74.803 27.251,75.692 44.904,75.692 45.158,75.692 49.095,79.629 71.193,79.629 75.003,79.629 75.638,78.994 75.638,78.74 75.638,24.003 74.495,22.86 74.622,22.733 75.638,21.717 75.638,1.143 75.638,1.016 75.003,0.381 27.124,0.381 26.362,1.143
  text "eBox-SPARK" at -1.905,76.454 h3.81
  text "eBox-SPARK" at 49.095,76.454 h3.81